# Allegro board AB9.brd (continued)
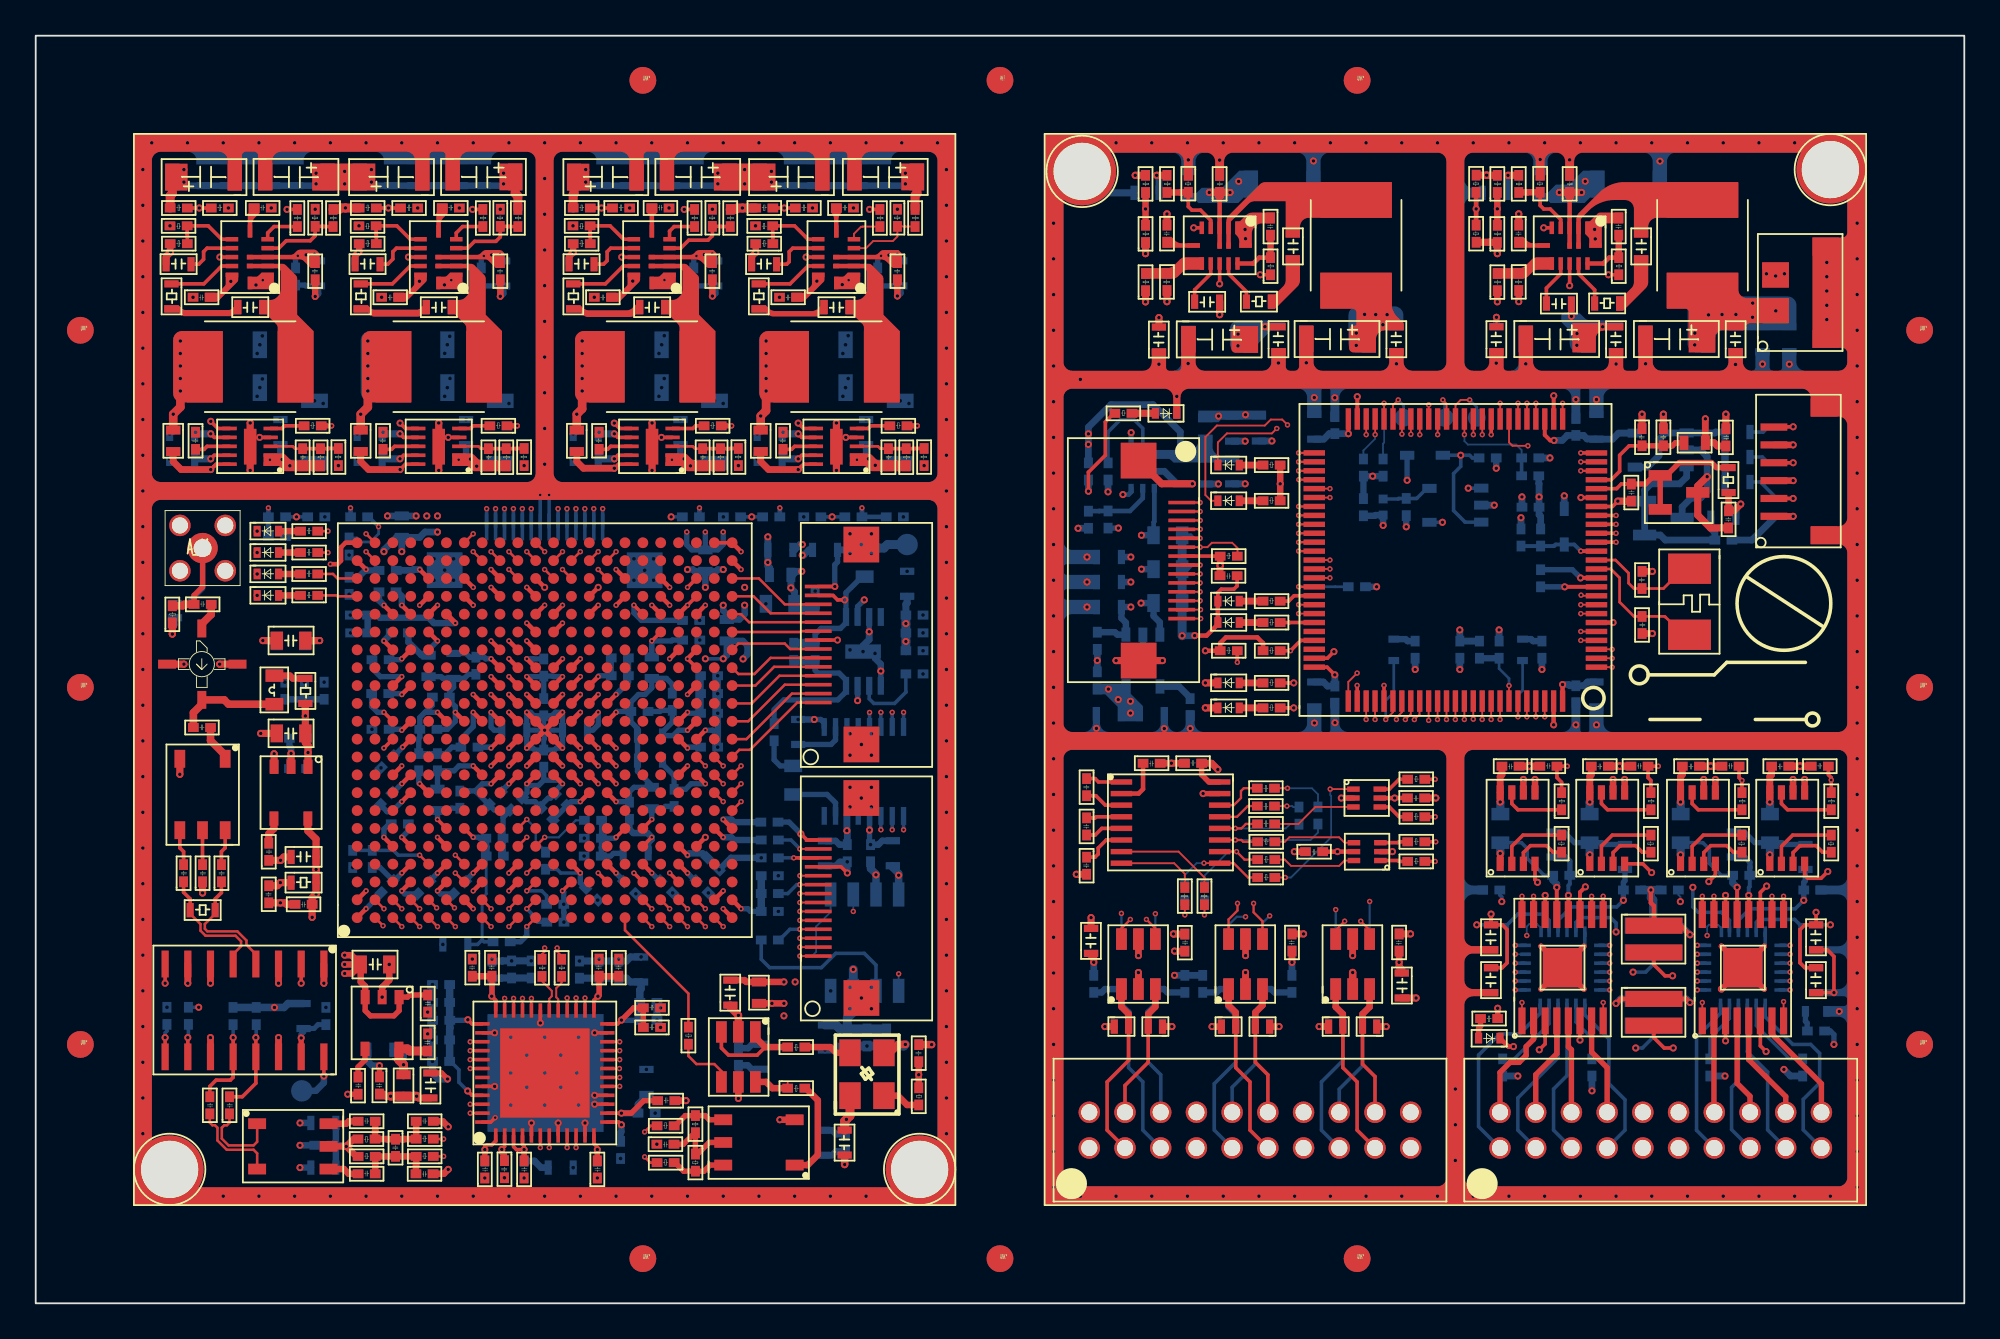
[diagram p0: board, top side]
## Placement (name value [footprint] x y rotation side) (continued)
NOREF#565  -  []  82.79 62.73 90 top
NOREF#566  -  []  90.8 63.5 0 top
NOREF#567  -  []  34.32 8.52 0 top
NOREF#568  -  []  97.68 25.76 90 top
NOREF#569  -  []  58.28 37.77 90 top
NOREF#570  -  []  60.89 31.8 0 top
NOREF#571  -  []  6.82 16.12 0 top
NOREF#572  -  []  67.59 21.43 90 top
NOREF#573  -  []  8.8 57.8 90 top
NOREF#574  -  []  28.59 32.5 90 top
NOREF#575  -  []  87.65 23.6 90 top
NOREF#576  -  []  68.4 53.2 90 top
NOREF#577  -  []  81.65 31.25 0 top
NOREF#578  -  []  63.87 29.86 90 top
NOREF#579  -  []  27.03 19.08 90 top
NOREF#580  -  []  66.6 49 0 top
NOREF#581  -  []  66 39.4 0 top
NOREF#582  -  []  27.36 17.76 0 top
NOREF#583  -  []  69.87 36.96 0 top
NOREF#584  -  []  67.65 61.12 90 top
NOREF#585  -  []  19.52 59.96 90 top
NOREF#586  -  []  44.04 40.07 90 top
NOREF#587  -  []  35.11 18.98 0 top
NOREF#588  -  []  45.74 6.45 0 top
NOREF#589  -  []  86.4 29.18 0 top
NOREF#590  -  []  85.86 36.65 0 top
NOREF#591  -  []  69.7 48.2 90 top
NOREF#592  -  []  80.95 44.7 90 top
NOREF#593  -  []  27.96 19.73 0 top
NOREF#594  -  []  28.14 17.76 90 top
NOREF#595  -  []  99.4 53.2 90 top
NOREF#596  -  []  24.75 24.88 0 top
NOREF#597  -  []  13.29 48 90 top
NOREF#598  -  []  31.06 8.44 0 top
NOREF#599  -  []  71.75 38.16 90 top
NOREF#600  -  []  66.3 14.2 0 top
NOREF#601  -  []  21.11 31.82 90 top
NOREF#602  -  []  63.18 21.14 0 top
NOREF#603  -  []  15.98 33.36 90 top
NOREF#604  -  []  44.1 42.61 90 top
NOREF#605  -  []  79.3 61.79 90 top
NOREF#606  -  []  38.49 16.6 90 top
NOREF#607  -  []  83.44 62.45 0 top
NOREF#608  -  []  92.2 12.7 90 top
NOREF#609  -  []  36.77 34.76 90 top
NOREF#610  -  []  72.48 16.31 90 top
NOREF#611  -  []  25.86 6.57 0 top
NOREF#612  -  []  57.9 19.5 90 top
NOREF#613  -  []  46.36 24.27 0 top
NOREF#614  -  []  59.5 16.31 0 top
NOREF#615  -  []  21.38 12.22 90 top
NOREF#616  -  []  25.77 58.48 0 top
NOREF#617  -  []  19.45 32.54 0 top
NOREF#618  -  []  33.44 60.18 0 top
NOREF#619  -  []  44.6 8.7 0 top
NOREF#620  -  []  104.75 15.5 90 top
NOREF#621  -  []  92.35 28.91 90 top
NOREF#622  -  []  39.5 42.4 90 top
NOREF#623  -  []  26.47 59.21 0 top
NOREF#624  -  []  21.65 21.75 90 top
NOREF#625  -  []  88.53 30.47 90 top
NOREF#626  -  []  83.6 54.82 0 top
NOREF#627  -  []  40 30.41 0 top
NOREF#628  -  []  83.5 18.09 90 top
NOREF#629  -  []  15.97 39.68 0 top
NOREF#630  -  []  83.85 47.74 90 top
NOREF#631  -  []  37.5 56.87 90 top
NOREF#632  -  []  44.89 9.8 0 top
NOREF#633  -  []  21.89 22.1 0 top
NOREF#634  -  []  78.24 28.7 90 top
NOREF#635  -  []  40.17 19.96 90 top
NOREF#636  -  []  64.95 64.3 0 top
NOREF#637  -  []  60.11 42.2 90 top
NOREF#638  -  []  69.56 25.68 0 top
NOREF#639  -  []  25.4 28.36 90 top
NOREF#640  -  []  65.9 50.6 0 top
NOREF#641  -  []  12.05 31.3 90 top
NOREF#642  -  []  31.39 62.5 0 top
NOREF#643  -  []  12.89 65.7 0 top
NOREF#644  -  []  76.9 17 0 top
NOREF#645  -  []  64.83 32.38 0 top
NOREF#646  -  []  83.2 58.32 90 top
NOREF#647  -  []  63.15 40.4 90 top
NOREF#648  -  []  40.24 59.21 90 top
NOREF#649  -  []  31.8 7.2 90 top
NOREF#650  -  []  43.05 28.3 90 top
NOREF#651  -  []  96.39 53.2 90 top
NOREF#652  -  []  64.74 20.87 90 top
NOREF#653  -  []  81.97 48.52 0 top
NOREF#654  -  []  65.1 44.98 0 top
NOREF#655  -  []  26.32 32.09 0 top
NOREF#656  -  []  24.06 17.86 90 top
NOREF#657  -  []  70.74 20.87 90 top
NOREF#658  -  []  41.1 34.91 90 top
NOREF#659  -  []  35.29 64.1 90 top
NOREF#660  -  []  80.45 15.56 0 top
NOREF#661  -  []  37.81 6.71 90 top
NOREF#662  -  []  45.06 27.75 0 top
NOREF#663  -  []  17.17 38.72 0 top
NOREF#664  -  []  27.74 6.56 90 top
NOREF#665  -  []  45.2 54.5 0 top
NOREF#666  -  []  31.6 48.29 90 top
NOREF#667  -  []  27.28 34.67 90 top
NOREF#668  -  []  16.22 56.89 90 top
NOREF#669  -  []  80.91 59.93 0 top
NOREF#670  -  []  66.7 44.98 90 top
NOREF#671  -  []  63.5 61.12 90 top
NOREF#672  -  []  104.75 15.5 90 top
NOREF#673  -  []  94.79 53.2 90 top
NOREF#674  -  []  20.3 60.7 0 top
NOREF#675  -  []  77.39 53.2 90 top
NOREF#676  -  []  39.99 58.61 0 top
NOREF#677  -  []  19.32 30.33 0 top
NOREF#678  -  []  48.33 17.5 90 top
NOREF#679  -  []  31.24 58.18 0 top
NOREF#680  -  []  40.09 41.2 90 top
NOREF#681  -  []  8.7 16.12 90 top
NOREF#682  -  []  59.7 15.2 90 top
NOREF#683  -  []  99.51 22.6 90 top
NOREF#684  -  []  38.46 56.88 90 top
NOREF#685  -  []  36.77 32.66 90 top
NOREF#686  -  []  18.81 24.72 90 top
NOREF#687  -  []  92.52 48.48 0 top
NOREF#688  -  []  18.95 30.2 90 top
NOREF#689  -  []  84.4 61.12 90 top
NOREF#690  -  []  62.8 58.33 0 top
NOREF#691  -  []  36.59 65.7 0 top
NOREF#692  -  []  86.4 23.6 90 top
NOREF#693  -  []  59.7 16.8 0 top
NOREF#694  -  []  84.51 46.72 0 top
NOREF#695  -  []  73.14 35.03 0 top
NOREF#696  -  []  64.4 38.5 90 top
NOREF#697  -  []  16.5 14.51 0 top
NOREF#698  -  []  9.87 22.51 0 top
NOREF#699  -  []  22.44 9.02 0 top
NOREF#700  -  []  91.75 31.25 0 top
NOREF#701  -  []  20.65 22.39 0 top
NOREF#702  -  []  30.2 18.67 0 top
NOREF#703  -  []  30.3 62.27 0 top
NOREF#704  -  []  82.17 22.76 0 top
NOREF#705  -  []  25.86 6.57 90 top
NOREF#706  -  []  14.8 47.2 90 top
NOREF#707  -  []  22.89 30.97 90 top
NOREF#708  -  []  84.63 46.18 90 top
NOREF#709  -  []  82.33 15.56 90 top
NOREF#710  -  []  16.12 59.21 0 top
NOREF#711  -  []  39.07 10.05 90 top
NOREF#712  -  []  59.7 33.31 0 top
NOREF#713  -  []  44.85 42.88 0 top
NOREF#714  -  []  59.3 43.8 0 top
NOREF#715  -  []  10.14 10.15 90 top
NOREF#716  -  []  35.29 65.7 0 top
NOREF#717  -  []  21.5 62.27 90 top
NOREF#718  -  []  86.99 36.5 0 top
NOREF#719  -  []  21.13 60.18 90 top
NOREF#720  -  []  86.26 63.49 90 top
NOREF#721  -  []  50.65 43.66 90 top
NOREF#722  -  []  60.11 42.2 90 top
NOREF#723  -  []  32.13 23.88 90 top
NOREF#724  -  []  34.9 52.1 0 top
NOREF#725  -  []  60.89 31.8 90 top
NOREF#726  -  []  63.8 14.2 90 top
NOREF#727  -  []  44.89 8.2 90 top
NOREF#728  -  []  48.27 39.72 0 top
NOREF#729  -  []  39.49 46.1 90 top
NOREF#730  -  []  97.9 53.2 90 top
NOREF#731  -  []  94.41 44.57 90 top
NOREF#732  -  []  16.2 15.29 90 top
NOREF#733  -  []  41.8 49.11 90 top
NOREF#734  -  []  63.5 61.12 90 top
NOREF#735  -  []  77.97 24.68 0 top
NOREF#736  -  []  44.1 41.8 90 top
NOREF#737  -  []  98.63 30.47 90 top
NOREF#738  -  []  6.59 47.5 90 top
NOREF#739  -  []  17.8 55.6 0 top
NOREF#740  -  []  88.6 49.31 90 top
NOREF#741  -  []  84.58 24.03 90 top
NOREF#742  -  []  18.38 14.51 90 top
NOREF#743  -  []  47.59 39.5 90 top
NOREF#744  -  []  20.75 24.21 0 top
NOREF#745  -  []  28.84 34.33 0 top
NOREF#746  -  []  13.89 29.52 0 top
NOREF#747  -  []  87.3 61.89 0 top
NOREF#748  -  []  69.57 23.68 0 top
NOREF#749  -  []  77.15 46.14 90 top
NOREF#750  -  []  75.96 20.87 90 top
NOREF#751  -  []  15.63 28.78 90 top
NOREF#752  -  []  67.5 49.8 90 top
NOREF#753  -  []  98.63 30.47 90 top
NOREF#754  -  []  17.09 46.1 90 top
NOREF#755  -  []  38.8 47.2 90 top
NOREF#756  -  []  82.75 46.18 0 top
NOREF#757  -  []  12.5 14.51 0 top
NOREF#758  -  []  86.09 25.14 0 top
NOREF#759  -  []  30.2 8.01 0 top
NOREF#760  -  []  69.19 61.6 0 top
NOREF#761  -  []  9.9 16.12 90 top
NOREF#762  -  []  12.92 34.33 0 top
NOREF#763  -  []  96.9 26.54 90 top
NOREF#764  -  []  84.53 42.91 90 top
NOREF#765  -  []  69.2 14.8 0 top
NOREF#766  -  []  13.51 62.7 0 top
NOREF#767  -  []  19.19 7.06 0 top
NOREF#768  -  []  71.45 22.68 90 top
NOREF#769  -  []  70.74 20.87 90 top
NOREF#770  -  []  33.57 16.94 0 top
NOREF#771  -  []  35.89 45.4 0 top
NOREF#772  -  []  34.16 37.86 90 top
NOREF#773  -  []  69.87 45.78 0 top
NOREF#774  -  []  100.8 34.6 0 top
NOREF#775  -  []  9.36 12.03 90 top
NOREF#776  -  []  20.9 45.1 0 top
NOREF#777  -  []  34.29 35.4 90 top
NOREF#778  -  []  17.01 20.6 0 top
NOREF#779  -  []  44.89 9.8 0 top
NOREF#780  -  []  43.05 28.3 90 top
NOREF#781  -  []  92.2 16.8 90 top
NOREF#782  -  []  72.36 46.65 0 top
NOREF#783  -  []  19.46 8.81 90 top
NOREF#784  -  []  6.48 36.05 90 top
NOREF#785  -  []  61.7 53.18 90 top
NOREF#786  -  []  60.02 25.77 90 top
NOREF#787  -  []  38.46 56.88 90 top
NOREF#788  -  []  32.26 17.86 0 top
NOREF#789  -  []  41.89 62.5 90 top
NOREF#790  -  []  69.87 35.38 0 top
NOREF#791  -  []  46.42 56.89 90 top
NOREF#792  -  []  89 16.8 0 top
NOREF#793  -  []  72.36 46.65 90 top
NOREF#794  -  []  21.65 21.75 0 top
NOREF#795  -  []  37.52 22.58 0 top
NOREF#796  -  []  20.16 13.16 90 top
NOREF#797  -  []  7.3 49.91 0 top
NOREF#798  -  []  36.45 44.44 0 top
NOREF#799  -  []  29.9 49.91 0 top
NOREF#800  -  []  19.5 48.29 90 top
NOREF#801  -  []  75 52.39 0 top
NOREF#802  -  []  22.71 6.86 90 top
NOREF#803  -  []  73.82 46.83 0 top
NOREF#804  -  []  46.36 24.27 0 top
NOREF#805  -  []  73.69 24.44 0 top
NOREF#806  -  []  20.95 20.5 0 top
NOREF#807  -  []  93.22 13.23 0 top
NOREF#808  -  []  24.05 17.3 90 top
NOREF#809  -  []  41.19 55.96 0 top
NOREF#810  -  []  61.58 33.31 90 top
NOREF#811  -  []  29.06 19.73 0 top
NOREF#812  -  []  88.1 54.01 0 top
NOREF#813  -  []  36.82 32.75 90 top
NOREF#814  -  []  40.02 60.82 90 top
NOREF#815  -  []  38.69 38.55 0 top
NOREF#816  -  []  72.9 15.8 90 top
NOREF#817  -  []  12.4 10.06 0 top
NOREF#818  -  []  19.4 49.11 90 top
NOREF#819  -  []  17.85 39.68 90 top
NOREF#820  -  []  86.64 34.77 90 top
NOREF#821  -  []  15.76 33.37 0 top
NOREF#822  -  []  92.52 47.7 90 top
NOREF#823  -  []  40.17 26.12 0 top
NOREF#824  -  []  22.9 52.1 0 top
NOREF#825  -  []  22.31 61.74 0 top
NOREF#826  -  []  88.6 49.31 90 top
NOREF#827  -  []  75.96 20.87 90 top
NOREF#828  -  []  11.3 36.45 0 top
NOREF#829  -  []  75.2 14.8 0 top
NOREF#830  -  []  28.74 17.85 90 top
NOREF#831  -  []  31.06 4.95 90 top
NOREF#832  -  []  20.2 23.66 90 top
NOREF#833  -  []  71.2 46.7 0 top
NOREF#834  -  []  73.82 46.83 0 top
NOREF#835  -  []  20 20.85 0 top
NOREF#836  -  []  36.04 34.63 90 top
NOREF#837  -  []  10.23 55.96 90 top
NOREF#838  -  []  72.3 16.8 0 top
NOREF#839  -  []  83 53.2 90 top
NOREF#840  -  []  87.58 25.76 90 top
NOREF#841  -  []  90.3 56.39 0 top
NOREF#842  -  []  73.14 35.03 0 top
NOREF#843  -  []  70.79 53.2 90 top
NOREF#844  -  []  22.1 25.8 0 top
NOREF#845  -  []  47.87 56.87 90 top
NOREF#846  -  []  23.98 4.96 0 top
NOREF#847  -  []  85.29 44.84 90 top
NOREF#848  -  []  94.65 15.5 90 top
NOREF#849  -  []  48.27 37.16 90 top
NOREF#850  -  []  16.77 8.46 0 top
NOREF#851  -  []  67.41 45.8 90 top
NOREF#852  -  []  27.03 19.08 90 top
NOREF#853  -  []  33.51 37.28 0 top
NOREF#854  -  []  69.96 22.75 0 top
NOREF#855  -  []  89.42 37.97 0 top
NOREF#856  -  []  21.9 16.1 0 top
NOREF#857  -  []  44.42 17.5 90 top
NOREF#858  -  []  47.59 24.41 0 top
NOREF#859  -  []  87.25 28.91 90 top
NOREF#860  -  []  99.51 22.6 90 top
NOREF#861  -  []  19.19 6.08 0 top
NOREF#862  -  []  25.2 47.2 90 top
NOREF#863  -  []  70.79 53.2 90 top
NOREF#864  -  []  87.81 21.02 0 top
NOREF#865  -  []  37.74 46.45 90 top
NOREF#866  -  []  98.42 13.23 0 top
NOREF#867  -  []  81.1 49.36 0 top
NOREF#868  -  []  49.14 46.45 90 top
NOREF#869  -  []  42.13 42.88 90 top
NOREF#870  -  []  15.06 30.4 90 top
NOREF#871  -  []  21 11.4 90 top
NOREF#872  -  []  26.1 50.5 90 top
NOREF#873  -  []  89.8 49.31 90 top
NOREF#874  -  []  16.2 41.59 90 top
NOREF#875  -  []  94.79 54.8 0 top
NOREF#876  -  []  94.7 23.3 0 top
NOREF#877  -  []  68.4 54.01 0 top
NOREF#878  -  []  20.65 22.39 90 top
NOREF#879  -  []  61.7 53.99 0 top
NOREF#880  -  []  33.72 55.39 0 top
NOREF#881  -  []  43.8 12.49 0 top
NOREF#882  -  []  9.36 12.03 90 top
NOREF#883  -  []  15.56 48.33 0 top
NOREF#884  -  []  15.8 24.6 90 top
NOREF#885  -  []  64.74 20.87 90 top
NOREF#886  -  []  100.8 25.76 0 top
NOREF#887  -  []  46.09 48 90 top
NOREF#888  -  []  29.06 19.73 0 top
NOREF#889  -  []  37.73 29.8 90 top
NOREF#890  -  []  71.28 27.35 0 top
NOREF#891  -  []  48.4 52.9 90 top
NOREF#892  -  []  35.38 12.45 90 top
NOREF#893  -  []  74.92 46.83 0 top
NOREF#894  -  []  25.63 56.87 90 top
NOREF#895  -  []  40.25 33.76 90 top
NOREF#896  -  []  18.65 8.46 90 top
NOREF#897  -  []  34.16 37.86 90 top
NOREF#898  -  []  88.1 54.01 0 top
NOREF#899  -  []  89.6 24.03 90 top
NOREF#900  -  []  16.4 47.2 90 top
NOREF#901  -  []  44.05 55.39 90 top
NOREF#902  -  []  39.99 58.61 0 top
NOREF#903  -  []  11.3 14.51 0 top
NOREF#904  -  []  75.96 22.75 0 top
NOREF#905  -  []  44.61 12.49 90 top
NOREF#906  -  []  41.46 60.18 0 top
NOREF#907  -  []  20.37 42.22 0 top
NOREF#908  -  []  73.69 24.44 90 top
NOREF#909  -  []  20.4 8.73 0 top
NOREF#910  -  []  79.4 26.85 0 top
NOREF#911  -  []  21.11 31.82 0 top
NOREF#912  -  []  87.78 15.82 90 top
NOREF#913  -  []  35.69 48 90 top
NOREF#914  -  []  6.39 58.8 0 top
NOREF#915  -  []  24.2 17.89 90 top
NOREF#916  -  []  81.32 58.32 0 top
NOREF#917  -  []  66.89 55.7 0 top
NOREF#918  -  []  21.89 20.5 90 top
NOREF#919  -  []  57.89 19.5 90 top
NOREF#920  -  []  40.7 62.27 0 top
NOREF#921  -  []  72.3 16.8 0 top
NOREF#922  -  []  14.17 42.56 0 top
NOREF#923  -  []  16.4 7.52 90 top
NOREF#924  -  []  39.9 36.9 90 top
NOREF#925  -  []  35.32 60.18 90 top
NOREF#926  -  []  66.2 54.93 0 top
NOREF#927  -  []  40.19 14.61 90 top
NOREF#928  -  []  81.9 18.09 0 top
NOREF#929  -  []  47.09 62.5 0 top
NOREF#930  -  []  66.2 54.93 0 top
NOREF#931  -  []  76.8 46.83 90 top
NOREF#932  -  []  14.37 41.66 90 top
NOREF#933  -  []  24.14 27.27 90 top
NOREF#934  -  []  14.37 43.64 0 top
NOREF#935  -  []  36.85 15.46 90 top
NOREF#936  -  []  14.22 23.57 90 top
NOREF#937  -  []  26.26 21.24 0 top
NOREF#938  -  []  12.4 52.1 0 top
NOREF#939  -  []  98.5 20.51 0 top
NOREF#940  -  []  17.58 8.81 0 top
NOREF#941  -  []  61.55 31.42 0 top
NOREF#942  -  []  21.6 36.5 90 top
NOREF#943  -  []  24.97 49.54 0 top
NOREF#944  -  []  79.35 16.75 90 top
NOREF#945  -  []  22.25 41.44 90 top
NOREF#946  -  []  15.34 46.45 90 top
NOREF#947  -  []  89 12.7 90 top
NOREF#948  -  []  19.33 34.7 90 top
NOREF#949  -  []  44.05 55.39 90 top
NOREF#950  -  []  17.64 59.96 0 top
NOREF#951  -  []  17.85 38.48 90 top
NOREF#952  -  []  71.28 27.35 0 top
NOREF#953  -  []  83.6 56.39 0 top
NOREF#954  -  []  8.9 49.11 90 top
NOREF#955  -  []  58.49 39.2 0 top
NOREF#956  -  []  68.76 59.37 0 top
NOREF#957  -  []  44.21 42.6 90 top
NOREF#958  -  []  14.31 46.18 0 top
NOREF#959  -  []  38.14 60.82 0 top
NOREF#960  -  []  40.9 55.6 90 top
NOREF#961  -  []  15.24 27.15 90 top
NOREF#962  -  []  96.48 29.18 0 top
NOREF#963  -  []  14.2 25.41 0 top
NOREF#964  -  []  22.11 32.85 0 top
NOREF#965  -  []  36.96 48.33 0 top
NOREF#966  -  []  10.61 26.5 90 top
NOREF#967  -  []  43.9 62.27 90 top
NOREF#968  -  []  76.8 47.5 0 top
NOREF#969  -  []  71.45 23.68 90 top
NOREF#970  -  []  89 16.8 0 top
NOREF#971  -  []  84.6 23.3 0 top
NOREF#972  -  []  62.18 45.01 90 top
NOREF#973  -  []  32.69 62.5 0 top
NOREF#974  -  []  38.3 37.7 0 top
NOREF#975  -  []  29.62 32.45 90 top
NOREF#976  -  []  30.27 27.44 90 top
NOREF#977  -  []  22.99 38.1 0 top
NOREF#978  -  []  79.4 25.6 90 top
NOREF#979  -  []  72.9 15.8 90 top
NOREF#980  -  []  73.5 33.73 0 top
NOREF#981  -  []  46.58 44.85 90 top
NOREF#982  -  []  22.44 7.06 0 top
NOREF#983  -  []  66.55 63.49 90 top
NOREF#984  -  []  27.51 20.22 0 top
NOREF#985  -  []  17.78 60.82 90 top
NOREF#986  -  []  58.49 39.2 90 top
NOREF#987  -  []  74.6 14.2 0 top
NOREF#988  -  []  47.26 12.35 0 top
NOREF#989  -  []  35.69 48 90 top
NOREF#990  -  []  40.95 44.44 0 top
NOREF#991  -  []  72 25.76 0 top
NOREF#992  -  []  88.12 56.51 0 top
NOREF#993  -  []  35.89 17.1 90 top
NOREF#994  -  []  26.32 31.31 90 top
NOREF#995  -  []  64.6 16.31 0 top
NOREF#996  -  []  14.37 42.86 90 top
NOREF#997  -  []  83.3 57.23 0 top
NOREF#998  -  []  24.2 17.89 90 top
NOREF#999  -  []  88.69 61.6 0 top
NOREF#1000  -  []  84.5 55.59 0 top
NOREF#1001  -  []  12.05 31.3 90 top
NOREF#1002  -  []  9 46.89 90 top
NOREF#1003  -  []  27.28 34.67 90 top
NOREF#1004  -  []  27.36 17.76 0 top
NOREF#1005  -  []  59.52 43.92 0 top
NOREF#1006  -  []  84.3 46.25 90 top
NOREF#1007  -  []  60.89 31.8 0 top
NOREF#1008  -  []  67.47 40.68 0 top
NOREF#1009  -  []  22.25 41.44 90 top
NOREF#1010  -  []  94.41 44.57 90 top
NOREF#1011  -  []  12.6 14.51 0 top
NOREF#1012  -  []  13 60.7 90 top
NOREF#1013  -  []  22 19.6 90 top
NOREF#1014  -  []  30.2 17.89 90 top
NOREF#1015  -  []  88.5 13.23 90 top
NOREF#1016  -  []  31.24 58.18 0 top
NOREF#1017  -  []  36.97 48.76 90 top
NOREF#1018  -  []  100.57 28.91 0 top
NOREF#1019  -  []  87.78 15.82 90 top
NOREF#1020  -  []  10.69 22.51 90 top
NOREF#1021  -  []  93.5 54.79 90 top
NOREF#1022  -  []  90.1 44.93 0 top
NOREF#1023  -  []  44.51 6.59 90 top
NOREF#1024  -  []  14.19 62.5 0 top
NOREF#1025  -  []  8.02 16.12 0 top
NOREF#1026  -  []  45.79 62.5 90 top
NOREF#1027  -  []  35.69 48 0 top
NOREF#1028  -  []  14.94 58.17 90 top
NOREF#1029  -  []  94.65 15.5 90 top
NOREF#1030  -  []  14.3 30.05 0 top
NOREF#1031  -  []  77.97 28.18 0 top
NOREF#1032  -  []  88.18 42.87 90 top
NOREF#1033  -  []  67.59 21.43 90 top
NOREF#1034  -  []  83.5 20.49 90 top
NOREF#1035  -  []  81.65 31.25 0 top
NOREF#1036  -  []  17.36 22.35 0 top
NOREF#1037  -  []  13.62 54.6 90 top
NOREF#1038  -  []  24.06 17.86 90 top
NOREF#1039  -  []  86.8 53.22 90 top
NOREF#1040  -  []  59.7 15.8 90 top
NOREF#1041  -  []  34.29 35.4 90 top
NOREF#1042  -  []  46.21 7.1 90 top
NOREF#1043  -  []  71.75 32.18 90 top
NOREF#1044  -  []  19.46 8.81 90 top
NOREF#1045  -  []  12.82 54.6 0 top
NOREF#1046  -  []  61.62 55.62 0 top
NOREF#1047  -  []  33.57 16.16 90 top
NOREF#1048  -  []  43.7 6.59 0 top
NOREF#1049  -  []  79.3 61.79 0 top
NOREF#1050  -  []  75.29 17 90 top
NOREF#1051  -  []  63.74 62.45 0 top
NOREF#1052  -  []  101.7 18.09 90 top
NOREF#1053  -  []  69.87 38.16 0 top
NOREF#1054  -  []  44.04 40.07 90 top
NOREF#1055  -  []  26.47 59.21 0 top
NOREF#1056  -  []  83.82 36.63 0 top
NOREF#1057  -  []  38.49 16.6 90 top
NOREF#1058  -  []  8.37 32.64 0 top
NOREF#1059  -  []  27.28 34.67 0 top
NOREF#1060  -  []  72.88 25.74 90 top
NOREF#1061  -  []  40.15 25.78 0 top
NOREF#1062  -  []  41.59 57.8 90 top
NOREF#1063  -  []  21.13 60.18 90 top
NOREF#1064  -  []  98.7 22.6 0 top
NOREF#1065  -  []  67.95 28.46 0 top
NOREF#1066  -  []  22.68 14.22 90 top
NOREF#1067  -  []  70.5 56.51 90 top
NOREF#1068  -  []  93.33 15.82 0 top
NOREF#1069  -  []  8.9 49.11 90 top
NOREF#1070  -  []  64.83 30.5 90 top
NOREF#1071  -  []  14.3 30.05 0 top
NOREF#1072  -  []  15.85 33.4 0 top
NOREF#1073  -  []  49.06 12.53 0 top
NOREF#1074  -  []  23.98 4.96 0 top
NOREF#1075  -  []  34.1 34.8 0 top
NOREF#1076  -  []  12.89 65.7 0 top
NOREF#1077  -  []  87.65 23.6 90 top
NOREF#1078  -  []  20.16 16.46 90 top
NOREF#1079  -  []  36.97 48.76 90 top
NOREF#1080  -  []  69.19 60 90 top
NOREF#1081  -  []  12.4 54.5 0 top
NOREF#1082  -  []  67.95 27.46 0 top
NOREF#1083  -  []  36.77 32.66 90 top
NOREF#1084  -  []  10.61 26.5 90 top
NOREF#1085  -  []  101.7 20.49 90 top
NOREF#1086  -  []  60.3 45.01 0 top
NOREF#1087  -  []  85.37 28.91 0 top
NOREF#1088  -  []  91.8 26.54 90 top
NOREF#1089  -  []  80.6 53.2 90 top
NOREF#1090  -  []  12.85 60.18 90 top
NOREF#1091  -  []  61.71 32.6 90 top
NOREF#1092  -  []  38.36 59.21 0 top
NOREF#1093  -  []  30.68 23.21 90 top
NOREF#1094  -  []  72.81 33.3 90 top
NOREF#1095  -  []  83.43 17.55 90 top
NOREF#1096  -  []  89 12.7 0 top
NOREF#1097  -  []  69.19 60 90 top
NOREF#1098  -  []  35.93 8.77 0 top
NOREF#1099  -  []  9.8 60.7 0 top
NOREF#1100  -  []  36.35 32.76 90 top
NOREF#1101  -  []  35.36 27.37 0 top
NOREF#1102  -  []  59.2 45.01 0 top
NOREF#1103  -  []  20.2 11.4 0 top
NOREF#1104  -  []  37.19 10.05 0 top
NOREF#1105  -  []  26.59 56.88 90 top
NOREF#1106  -  []  11.75 22.51 90 top
NOREF#1107  -  []  43.91 32.8 90 top
NOREF#1108  -  []  21 11.4 90 top
NOREF#1109  -  []  79.35 16.75 90 top
NOREF#1110  -  []  80.3 17.3 90 top
NOREF#1111  -  []  22.28 8.73 90 top
NOREF#1112  -  []  19.19 9.02 0 top
NOREF#1113  -  []  16.12 59.21 0 top
NOREF#1114  -  []  48.72 59.21 0 top
NOREF#1115  -  []  66.9 14.2 90 top
NOREF#1116  -  []  45.2 52.1 0 top
NOREF#1117  -  []  15.06 30.4 90 top
NOREF#1118  -  []  85.18 57.23 90 top
NOREF#1119  -  []  66 39.4 0 top
NOREF#1120  -  []  65.6 16.31 0 top
NOREF#1121  -  []  22.09 62.5 0 top
NOREF#1122  -  []  20.16 13.16 90 top
NOREF#1123  -  []  72 25.76 0 top
NOREF#1124  -  []  73.04 38.96 0 top
NOREF#1125  -  []  82.2 36.63 90 top
NOREF#1126  -  []  43.68 60.18 0 top
NOREF#1127  -  []  68.1 49.01 0 top
NOREF#1128  -  []  28.14 17.76 90 top
NOREF#1129  -  []  44.37 61.74 0 top
NOREF#1130  -  []  43.7 6.59 0 top
NOREF#1131  -  []  26.96 46.46 0 top
NOREF#1132  -  []  21.13 58.18 90 top
NOREF#1133  -  []  19.33 30.8 90 top
NOREF#1134  -  []  27.96 19.73 0 top
NOREF#1135  -  []  92.9 46.4 90 top
NOREF#1136  -  []  61.55 31.42 0 top
NOREF#1137  -  []  18 59.21 90 top
NOREF#1138  -  []  32.86 25.05 0 top
NOREF#1139  -  []  41.7 18.2 90 top
NOREF#1140  -  []  45.06 12.35 90 top
NOREF#1141  -  []  81.62 13.23 0 top
NOREF#1142  -  []  61.62 58.32 0 top
NOREF#1143  -  []  20.9 45.1 0 top
NOREF#1144  -  []  84.4 61.12 90 top
NOREF#1145  -  []  33.57 15.84 0 top
NOREF#1146  -  []  32.26 16.15 0 top
NOREF#1147  -  []  35.77 36.76 0 top
NOREF#1148  -  []  46.73 42.88 90 top
NOREF#1149  -  []  59.7 15.8 90 top
NOREF#1150  -  []  28.16 21.74 90 top
NOREF#1151  -  []  61.4 43.92 90 top
NOREF#1152  -  []  57.35 40.8 0 top
NOREF#1153  -  []  27.51 20.22 90 top
NOREF#1154  -  []  8.41 38.76 90 top
NOREF#1155  -  []  75.7 46.83 90 top
NOREF#1156  -  []  33.99 62.5 0 top
NOREF#1157  -  []  57.9 19.5 90 top
NOREF#1158  -  []  37.81 8.77 90 top
NOREF#1159  -  []  24.32 7.06 90 top
NOREF#1160  -  []  87.79 22.6 0 top
NOREF#1161  -  []  24.51 59.21 0 top
NOREF#1162  -  []  63.15 40.4 90 top
NOREF#1163  -  []  82.52 61.12 0 top
NOREF#1164  -  []  98.75 14.08 0 top
NOREF#1165  -  []  76.72 36.63 0 top
NOREF#1166  -  []  34.16 38.64 0 top
NOREF#1167  -  []  23.35 29.98 0 top
NOREF#1168  -  []  22.51 11.4 90 top
NOREF#1169  -  []  89 16.8 90 top
NOREF#1170  -  []  14.37 42.44 0 top
NOREF#1171  -  []  16.56 46.46 90 top
NOREF#1172  -  []  63.15 38.5 90 top
NOREF#1173  -  []  74.74 45.53 0 top
NOREF#1174  -  []  30 48.29 0 top
NOREF#1175  -  []  20.37 42.22 0 top
NOREF#1176  -  []  83.3 36.63 90 top
NOREF#1177  -  []  72 33.3 0 top
NOREF#1178  -  []  25.23 29.98 90 top
NOREF#1179  -  []  69.87 43.78 0 top
NOREF#1180  -  []  64.8 55.69 90 top
NOREF#1181  -  []  97.68 25.76 90 top
NOREF#1182  -  []  67.95 27.46 0 top
NOREF#1183  -  []  87.79 22.6 90 top
NOREF#1184  -  []  33.57 16.16 90 top
NOREF#1185  -  []  89 12.7 90 top
NOREF#1186  -  []  27.04 19.36 90 top
NOREF#1187  -  []  47.59 41.1 0 top
NOREF#1188  -  []  94.68 24.03 90 top
NOREF#1189  -  []  46.16 12.35 0 top
NOREF#1190  -  []  28.59 34.1 0 top
NOREF#1191  -  []  57.35 37.6 90 top
NOREF#1192  -  []  16.77 8.46 0 top
NOREF#1193  -  []  100.1 20.49 0 top
NOREF#1194  -  []  20.6 15.41 90 top
NOREF#1195  -  []  40.17 19.96 0 top
NOREF#1196  -  []  77.62 38.19 0 top
NOREF#1197  -  []  90.67 46.94 0 top
NOREF#1198  -  []  20.16 17.24 0 top
NOREF#1199  -  []  21.13 58.18 90 top
NOREF#1200  -  []  36.14 27.37 90 top
NOREF#1201  -  []  79.85 24.68 90 top
NOREF#1202  -  []  79.5 41.63 90 top
NOREF#1203  -  []  64.4 40.4 90 top
NOREF#1204  -  []  38.96 12.87 0 top
NOREF#1205  -  []  92.17 22.76 0 top
NOREF#1206  -  []  37.2 47.2 90 top
NOREF#1207  -  []  49.06 13.07 90 top
NOREF#1208  -  []  87.81 21.02 90 top
NOREF#1209  -  []  87.4 35.63 90 top
NOREF#1210  -  []  19.06 47.37 90 top
NOREF#1211  -  []  36.85 21.25 90 top
NOREF#1212  -  []  81.9 20.49 0 top
NOREF#1213  -  []  17.85 39.68 90 top
NOREF#1214  -  []  8.41 39.54 0 top
NOREF#1215  -  []  29.92 26.48 0 top
NOREF#1216  -  []  19.06 47.37 90 top
NOREF#1217  -  []  71.75 33.58 90 top
NOREF#1218  -  []  12.05 31.3 90 top
NOREF#1219  -  []  79.85 23.58 90 top
NOREF#1220  -  []  34.97 15.46 0 top
NOREF#1221  -  []  9.9 16.12 90 top
NOREF#1222  -  []  63.8 14.2 90 top
NOREF#1223  -  []  38.96 46.46 0 top
NOREF#1224  -  []  89.45 16.75 90 top
NOREF#1225  -  []  31.32 22.18 0 top
NOREF#1226  -  []  18.51 9.7 90 top
NOREF#1227  -  []  44.61 22.8 90 top
NOREF#1228  -  []  18 59.21 90 top
NOREF#1229  -  []  23.65 26.75 0 top
NOREF#1230  -  []  22.31 60.96 90 top
NOREF#1231  -  []  98.15 20.6 0 top
NOREF#1232  -  []  22.73 14.5 90 top
NOREF#1233  -  []  18.81 24.72 0 top
NOREF#1234  -  []  81.42 36.63 0 top
NOREF#1235  -  []  97.88 15.82 90 top
NOREF#1236  -  []  30.51 55.6 90 top
NOREF#1237  -  []  26.96 8.44 0 top
NOREF#1238  -  []  71.75 33.58 90 top
NOREF#1239  -  []  34.87 10.26 0 top
NOREF#1240  -  []  38.14 60.82 0 top
NOREF#1241  -  []  23.69 48 0 top
NOREF#1242  -  []  89 12.7 0 top
NOREF#1243  -  []  26.8 47.2 90 top
NOREF#1244  -  []  23.3 15.21 90 top
NOREF#1245  -  []  73.8 52.5 0 top
NOREF#1246  -  []  28.4 46.89 90 top
NOREF#1247  -  []  42.13 42.88 90 top
NOREF#1248  -  []  33.79 13.2 90 top
NOREF#1249  -  []  49.2 47.2 90 top
NOREF#1250  -  []  45.06 12.35 0 top
NOREF#1251  -  []  49.14 46.45 90 top
NOREF#1252  -  []  16.31 10.7 90 top
NOREF#1253  -  []  28.16 21.74 90 top
NOREF#1254  -  []  14.29 60.82 90 top